# Altium PCB 脑电采集板V1.0.PcbDoc (part 1 of 2) (continued)
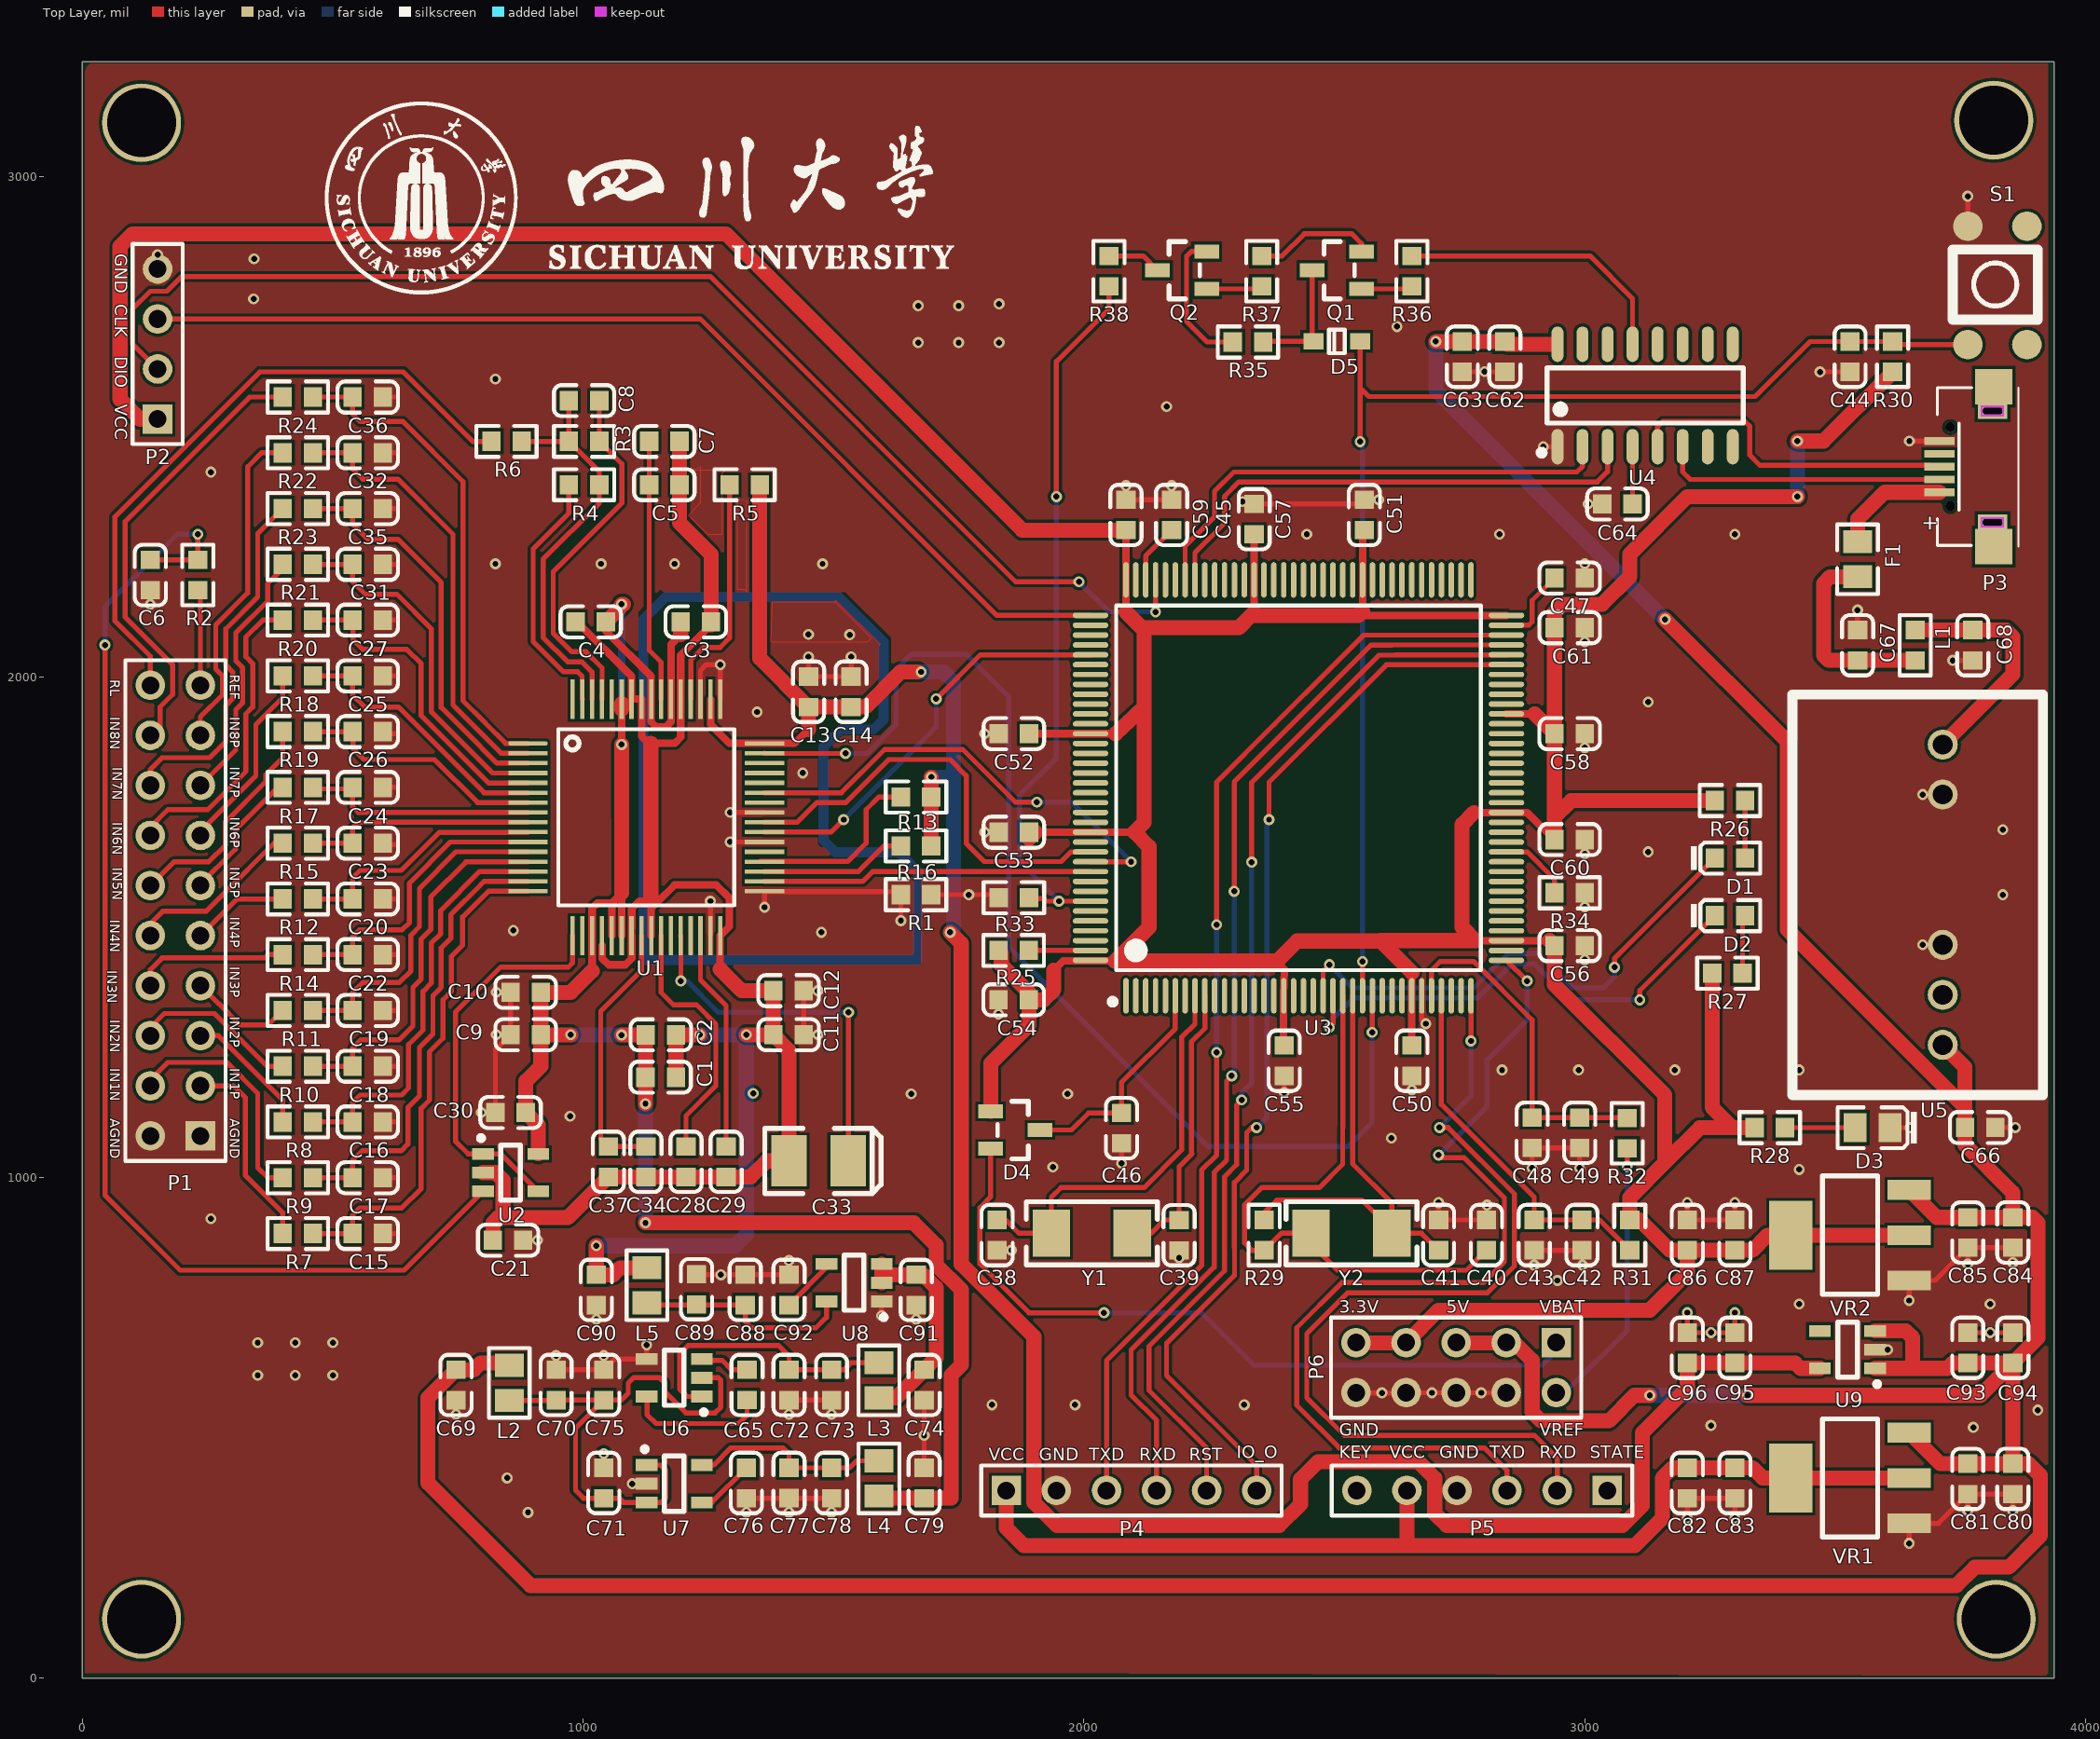
[diagram p0: Top Layer view]
## Components (designator, comment, footprint, x,y, rotation, side; value= is the part's Value field where it differs from the comment) (continued)
R3 "391KΩ" 0603_R 1001.81,2470.55 r0 top
R4 "0Ω" 0603_R 1001.81,2383.88 r180 top
R5 "10KΩ" 0603_R 1322.36,2383.88 r180 top
R6 "100KΩ" 0603_R 846.81,2470.55 r0 top
R7 "4.99KΩ" 0603_R 429.92,888.33 r0 top
R8 "4.99KΩ" 0603_R 429.92,1111.09 r0 top
R9 "4.99KΩ" 0603_R 429.92,999.71 r0 top
R10 "4.99KΩ" 0603_R 429.92,1222.47 r0 top
R11 "4.99KΩ" 0603_R 429.92,1333.84 r0 top
R12 "4.99KΩ" 0603_R 429.92,1556.6 r0 top
R13 "10KΩ" 0603_R 1664.68,1760 r180 top
R14 "4.99KΩ" 0603_R 429.92,1445.22 r0 top
R15 "4.99KΩ" 0603_R 429.92,1667.98 r0 top
R16 "10KΩ" 0603_R 1664.68,1662.5 r0 top
R17 "4.99KΩ" 0603_R 429.92,1779.36 r0 top
R18 "4.99KΩ" 0603_R 429.92,2002.11 r0 top
R19 "4.99KΩ" 0603_R 429.92,1890.73 r0 top
R20 "4.99KΩ" 0603_R 429.92,2113.49 r0 top
R21 "4.99KΩ" 0603_R 429.92,2224.87 r0 top
R22 "4.99KΩ" 0603_R 429.92,2447.62 r0 top
R23 "4.99KΩ" 0603_R 429.92,2336.25 r0 top
R24 "4.99KΩ" 0603_R 429.92,2559 r0 top
R25 "0Ω" 0603_R 1859.68,1453.65 r0 top
R26 "510Ω" 0603_R 3290,1753.02 r0 top
R27 "510Ω" 0603_R 3285,1408.33 r0 top
R28 "1KΩ" 0603_R 3369.68,1099.69 r0 top
R29 "1MΩ" 0603_R 2360,885.14 r90 top
R30 "10K" 0603_R 3615,2639.57 r90 top
R31 "10Ω (10R0) ±1%" 0603_R 3090,885.14 r270 top
R32 "10Ω (10R0) ±1%" 0603_R 3085,1088.77 r270 top
R33 "10K" 0603_R 1860,1558.96 r0 top
R34 "10K" 0603_R 2970,1568.77 r180 top
R35 "10KΩ" 0603_R 2327.5,2668.9 r0 top
R36 "1KΩ (1001) ±1%" 0603_R 2655,2810.43 r270 top
R37 "1KΩ (1001) ±1%" 0603_R 2355,2810.43 r90 top
R38 "1KΩ (1001) ±1%" 0603_R 2050,2810.43 r270 top
S1 "SW-PB" key_4.5*4.5*3.8 3765,2663.78 r90 top
U1 "ADS1299" ADS1299 1334.8,1982.19 r270 top
U2 "OPA376DBV" SOT-23-5 855,1010 r180 top
U3 "STM32F429ZGT6" LQFP-144_20x20x05P 2428.43,1778.45 r0 top
U4 "CH340G" SOIC-16_150mil 3120.67,2562.14 r0 top
U5 "H0505S-2W" H0505S 3615,1665 r270 top
U6 "TPS60403" SOT-23-5 1181.71,600.12 r0 top
U7 "TPS73225" SOT-23-5 1181.71,388.62 r180 top
U8 "TPS72325" SOT-23-5 1540.95,790 r0 top
U9 "SPX5205" SOT-23-5 3525,656.38 r0 top
VR1 "AMS1117-3.3" SOT-223 3530,400 r0 top
VR2 "AMS1117-3.3" SOT-223 3530,885 r0 top
Y1 "32.768KHz" SMD-5032_2P 2015.71,888.77 r180 top
Y2 "8MHz ±20ppm 20pF" SMD-5032_2P 2534.29,888.77 r0 top

## Footprints (in the part's own frame and the unit in brackets; to place one, negate y for a bottom-side part, rotate by r counter-clockwise, add the part's x,y. Pads: shape width x height; smd on the part's side, far side on the other; paste and mask are expansions set on the pad)
0603_C [mm]
  rect 0.93x0.98 smd: 1(-0.77,0) 2(0.77,0)
  silkscreen extent -1.53,-0.79 1.54,0.79, body extent -0.8,-0.4 0.8,0.4, height 0.3
0603_L [mm]
  rect 0.93x0.98 smd: 1(-0.77,0) 2(0.77,0)
  silkscreen extent -1.53,-0.79 1.54,0.79, body extent -0.82,-0.41 0.83,0.41, height 0.46
0603_LED_S1 [mm]
  rect 0.93x0.98 smd: A(0.77,0) K(-0.77,0)
  silkscreen extent -1.97,-0.79 1.54,0.79, body extent -0.8,-0.4 0.8,0.4, height 0.6
0603_R [mm]
  rect 0.93x0.98 smd: 1(-0.77,0) 2(0.77,0)
  silkscreen extent -1.53,-0.79 1.54,0.79, body extent -0.85,-0.4 0.85,0.4, height 0.56
0805_L [mm]
  rect 1.16x1.47 smd: 1(-0.89,0) 2(0.89,0)
  silkscreen extent -1.77,-1.04 1.77,1.03, body extent -1.02,-0.64 1.03,0.64, height 0.6
0805_LED_S1 [mm]
  rect 1.16x1.47 smd: A(0.89,0) K(-0.89,0)
  silkscreen extent -2.25,-1.04 1.77,1.03, body extent -1.01,-0.62 1.01,0.62, height 1.1
0805_R [mm]
  rect 1.16x1.47 smd: 1(-0.89,0) 2(0.89,0)
  silkscreen extent -1.77,-1.04 1.77,1.03, body extent -1,-0.62 1,0.63, height 0.49
ADS1299 [mm]
  oval 0.22x2 smd: 1(2.921,-11.303)
  rect 0.22x2 smd: 2(3.421,-11.303) 3(3.921,-11.303) 4(4.421,-11.303) 5(4.921,-11.303) 6(5.421,-11.303) 7(5.921,-11.303) 8(6.421,-11.303) 9(6.921,-11.303) 10(7.421,-11.303) 11(7.921,-11.303) 12(8.421,-11.303) 13(8.921,-11.303) 14(9.421,-11.303) 15(9.921,-11.303) 16(10.421,-11.303) 33(10.421,0.697) 34(9.921,0.697) 35(9.421,0.697) 36(8.921,0.697) 37(8.421,0.697) 38(7.921,0.697) 39(7.421,0.697) 40(6.921,0.697) 41(6.421,0.697) 42(5.921,0.697) 43(5.421,0.697) 44(4.921,0.697) 45(4.421,0.697) 46(3.921,0.697) 47(3.421,0.697) 48(2.921,0.697)
  rect 2x0.22 smd: 17(12.671,-9.053) 18(12.671,-8.553) 19(12.671,-8.053) 20(12.671,-7.553) 21(12.671,-7.053) 22(12.671,-6.553) 23(12.671,-6.053) 24(12.671,-5.553) 25(12.671,-5.053) 26(12.671,-4.553) 27(12.671,-4.053) 28(12.671,-3.553) 29(12.671,-3.053) 30(12.671,-2.553) 31(12.671,-2.053) 32(12.671,-1.553) 49(0.671,-1.553) 50(0.671,-2.053) 51(0.671,-2.553) 52(0.671,-3.053) 53(0.671,-3.553) 54(0.671,-4.053) 55(0.671,-4.553) 56(0.671,-5.053) 57(0.671,-5.553) 58(0.671,-6.053) 59(0.671,-6.553) 60(0.671,-7.053) 61(0.671,-7.553) 62(0.671,-8.053) 63(0.671,-8.553) 64(0.671,-9.053)
  silkscreen extent 2.21,-9.77 11.14,-0.84
CASE-B_3528 [mm]
  rect 1.8x2.6 smd: 1(1.5,0) 2(-1.5,0)
  silkscreen extent -2.73,-1.65 3.16,1.65, body extent -1.85,-1.47 1.85,1.46, height 2.03
H0505S [mil] "H0505S"
  round 60 hole 39.37: 1(-200,100) 2(-100,100) 5(200,100) 6(300,100) 7(400,100)
  silkscreen extent -300,-200 500,300
HDR1X4 [mm] "Connector; Header; 4 Position"
  rect 1.5x1.5 hole 0.9: 1(0,0)
  round 1.5 hole 0.9: 2(2.54,0) 3(5.08,0) 4(7.62,0)
  silkscreen extent -1.27,-1.27 8.89,1.27
HDR1X6 [mm] "Connector; Header; 6 Position"
  rect 1.5x1.5 hole 0.9: 1(0,0)
  round 1.5 hole 0.9: 2(2.54,0) 3(5.08,0) 4(7.62,0) 5(10.16,0) 6(12.7,0)
  silkscreen extent -1.27,-1.27 13.97,1.27
HDR2X5 [mm] "Connector; Header; 5x2 Position"
  rect 1.5x1.5 hole 0.9: 1(0,0)
  round 1.5 hole 0.9: 2(0,2.54) 3(2.54,0) 4(2.54,2.54) 5(5.08,0) 6(5.08,2.54) 7(7.62,0) 8(7.62,2.54) 9(10.16,0) 10(10.16,2.54)
  silkscreen extent -1.27,-1.27 11.43,3.81
HDR2X10 [mm] "Connector; Header; 10x2 Position"
  rect 1.5x1.5 hole 0.9: 1(0,0)
  round 1.5 hole 0.9: 2(0,2.54) 3(2.54,0) 4(2.54,2.54) 5(5.08,0) 6(5.08,2.54) 7(7.62,0) 8(7.62,2.54) 9(10.16,0) 10(10.16,2.54) 11(12.7,0) 12(12.7,2.54) 13(15.24,0) 14(15.24,2.54) 15(17.78,0) 16(17.78,2.54) 17(20.32,0) 18(20.32,2.54) 19(22.86,0) 20(22.86,2.54)
  silkscreen extent -1.27,-1.27 24.13,3.81
key_4.5*4.5*3.8 [mm]
  round 1.5 smd: 1(0,0) 2(6,0) ""(0,-3) ""(6,-3)
  silkscreen extent 1.27,-3.56 4.83,0.76
LQFP-144_20x20x05P [mm]
  oval 0.28x1.8 smd mask+0.051: 1(-8.75,-10.55) 2(-8.25,-10.55) 3(-7.75,-10.55) 4(-7.25,-10.55) 5(-6.75,-10.55) 6(-6.25,-10.55) 7(-5.75,-10.55) 8(-5.25,-10.55) 9(-4.75,-10.55) 10(-4.25,-10.55) 11(-3.75,-10.55) 12(-3.25,-10.55) 13(-2.75,-10.55) 14(-2.25,-10.55) 15(-1.75,-10.55) 16(-1.25,-10.55) 17(-0.75,-10.55) 18(-0.25,-10.55) 19(0.25,-10.55) 20(0.75,-10.55) 21(1.25,-10.55) 22(1.75,-10.55) 23(2.25,-10.55) 24(2.75,-10.55) 25(3.25,-10.55) 26(3.75,-10.55) 27(4.25,-10.55) 28(4.75,-10.55) 29(5.25,-10.55) 30(5.75,-10.55) 31(6.25,-10.55) 32(6.75,-10.55) 33(7.25,-10.55) 34(7.75,-10.55) 35(8.25,-10.55) 36(8.75,-10.55) 73(8.75,10.55) 74(8.25,10.55) 75(7.75,10.55) 76(7.25,10.55) 77(6.75,10.55) 78(6.25,10.55) 79(5.75,10.55) 80(5.25,10.55) 81(4.75,10.55) 82(4.25,10.55) 83(3.75,10.55) 84(3.25,10.55) 85(2.75,10.55) 86(2.25,10.55) 87(1.75,10.55) 88(1.25,10.55) 89(0.75,10.55) 90(0.25,10.55) 91(-0.25,10.55) 92(-0.75,10.55) 93(-1.25,10.55) 94(-1.75,10.55) 95(-2.25,10.55) 96(-2.75,10.55) 97(-3.25,10.55) 98(-3.75,10.55) 99(-4.25,10.55) 100(-4.75,10.55) 101(-5.25,10.55) 102(-5.75,10.55) 103(-6.25,10.55) 104(-6.75,10.55) 105(-7.25,10.55) 106(-7.75,10.55) 107(-8.25,10.55) 108(-8.75,10.55)
  oval 1.8x0.28 smd mask+0.051: 37(10.55,-8.75) 38(10.55,-8.25) 39(10.55,-7.75) 40(10.55,-7.25) 41(10.55,-6.75) 42(10.55,-6.25) 43(10.55,-5.75) 44(10.55,-5.25) 45(10.55,-4.75) 46(10.55,-4.25) 47(10.55,-3.75) 48(10.55,-3.25) 49(10.55,-2.75) 50(10.55,-2.25) 51(10.55,-1.75) 52(10.55,-1.25) 53(10.55,-0.75) 54(10.55,-0.25) 55(10.55,0.25) 56(10.55,0.75) 57(10.55,1.25) 58(10.55,1.75) 59(10.55,2.25) 60(10.55,2.75) 61(10.55,3.25) 62(10.55,3.75) 63(10.55,4.25) 64(10.55,4.75) 65(10.55,5.25) 66(10.55,5.75) 67(10.55,6.25) 68(10.55,6.75) 69(10.55,7.25) 70(10.55,7.75) 71(10.55,8.25) 72(10.55,8.75) 109(-10.55,8.75) 110(-10.55,8.25) 111(-10.55,7.75) 112(-10.55,7.25) 113(-10.55,6.75) 114(-10.55,6.25) 115(-10.55,5.75) 116(-10.55,5.25) 117(-10.55,4.75) 118(-10.55,4.25) 119(-10.55,3.75) 120(-10.55,3.25) 121(-10.55,2.75) 122(-10.55,2.25) 123(-10.55,1.75) 124(-10.55,1.25) 125(-10.55,0.75) 126(-10.55,0.25) 127(-10.55,-0.25) 128(-10.55,-0.75) 129(-10.55,-1.25) 130(-10.55,-1.75) 131(-10.55,-2.25) 132(-10.55,-2.75) 133(-10.55,-3.25) 134(-10.55,-3.75) 135(-10.55,-4.25) 136(-10.55,-4.75) 137(-10.55,-5.25) 138(-10.55,-5.75) 139(-10.55,-6.25) 140(-10.55,-6.75) 141(-10.55,-7.25) 142(-10.55,-7.75) 143(-10.55,-8.25) 144(-10.55,-8.75)
  silkscreen extent -9.57,-11 9.25,9.25
MICRO-USB [mm]
  rect 0.4x1.55 smd: 1(-1.3,2.2) 2(-0.65,2.2) 3(0,2.2) 4(0.65,2.2) 5(1.3,2.2)
  rect 1.8x1.9 smd: 6(-4.05,-0.55) 6(4.05,-0.55)
  rect 0.8x1.5 hole 0.4 slot 1 at 90 deg: 6(-2.825,-0.5) 6(2.825,-0.5)
  round 0.5 hole 0.5 unplated: ""(-2,1.65) ""(2,1.65)
  Keep-Out Layer lines w0.127: -3.054,0.075 -3.054,-1.043 -2.596,-1.043 -2.596,0.075 -3.054,0.075 ; 2.596,0.075 2.596,-1.043 3.054,-1.043 3.054,0.075 2.596,0.075
  silkscreen extent -4.05,-1.8 4,2.3, body extent -4.03,-3.3 4.03,2.28, height 3.13
SMD-5032_2P [mm]
  rect 1.9x2.4 smd: 1(-2.05,0) 2(2.05,0)
  silkscreen extent -3.32,-1.6 3.32,1.6
SOD-323 [mm]
  rect 1x0.83 smd: 1(1.18,0) 2(-1.18,0)
  silkscreen extent -0.4,-0.6 0.4,0.6, body extent -1.35,-0.62 1.35,0.63, height 1.1
SOIC-16_150mil [mm]
  oval 0.6x1.8 smd: 1(-4.445,-2.6) 2(-3.175,-2.6) 3(-1.905,-2.6) 4(-0.635,-2.6) 5(0.635,-2.6) 6(1.905,-2.6) 7(3.175,-2.6) 8(4.445,-2.6) 9(4.445,2.6) 10(3.175,2.6) 11(1.905,2.6) 12(0.635,2.6) 13(-0.635,2.6) 14(-1.905,2.6) 15(-3.175,2.6) 16(-4.445,2.6)
  silkscreen extent -5.4,-3.05 4.97,1.4
SOT-23(SOT-23-3) [mm]
  rect 1.25x0.7 smd: 1(1.25,-0.95) 2(1.25,0.95) 3(-1.25,0)
  silkscreen extent -0.65,-1.46 0.9,1.46, body extent -1.5,-1.5 1.5,1.5, height 1.3
SOT-23-5 [mm]
  rect 1.1x0.6 smd: 1(1.4,-0.95) 2(1.4,0) 3(1.4,0.95) 4(-1.4,0.95) 5(-1.4,-0.95)
  silkscreen extent -0.5,-1.87 1.62,1.4
SOT-223 [mm]
  rect 2.2x1 smd: 1(3,-2.3) 2(3,0) 3(3,2.3)
  rect 2.2x3.5 smd: 2(-3,0)
  silkscreen extent -1.4,-3 1.4,3, body extent -3.49,-3.24 3.49,3.24, height 1.64

## Part data
C1 C2 C3 C4 C5 C7 C8 C9 C10 C11 C12 C13 C14 C28 C29 C37 C92: library part "0603 10nF (103) 10% 50V", "贴片电容", Package=0603, SuppliersPartNumber=C57112, ComponentLink1Description=供?, ComponentLink1URL=http://www.szlcsc.com/product/details_58143.html, Supplier=LC
C6 C15 C16 C17 C18 C19 C20 C22 C23 C24 C25 C26 C27 C31 C32 C35 C36: library part "0603 4.7nF (472) 10% 50V", "贴片电容", Package=0603, SuppliersPartNumber=C53987, ComponentLink1Description=供?, ComponentLink1URL=http://www.szlcsc.com/product/details_55004.html, Supplier=LC
C21 C30 C65 C71 C73 C75 C76: library part "0603 1uF (105) 10% 50V", "贴片电容", Package=0603, SuppliersPartNumber=C15849, ComponentLink1Description=供?, ComponentLink1URL=http://www.szlcsc.com/product/details_16531.html, Supplier=LC
C33: library part "3528 100uF (107) 10% 6.3V", "钽电容", Package=3528, SuppliersPartNumber=C16133, ComponentLink1Description=供?, ComponentLink1URL=http://www.szlcsc.com/product/details_16815.html, Supplier=LC
C34 C42 C48 C62 C66 C69 C70 C72 C74 C78 C79 C88 C90: library part "0603 10uF (106) 10% 10V", "贴片电容", Package=0603, SuppliersPartNumber=C19702, ComponentLink1Description=供?, ComponentLink1URL=http://www.szlcsc.com/product/details_20411.html, Supplier=LC
C38 C39: library part "0603 10pF (100) 5% 50V", "贴片电容", Package=0603, SuppliersPartNumber=C1634, ComponentLink1Description=供?, ComponentLink1URL=http://www.szlcsc.com/product/details_1986.html, Supplier=LC
C40 C41: library part "0603 22pF (220) 5% 50V", "贴片电容", Package=0603, SuppliersPartNumber=C1653, ComponentLink1Description=供?, ComponentLink1URL=http://www.szlcsc.com/product/details_2005.html, Supplier=LC
C43 C44 C46 C49 C50 C51 C52 C53 C54 C55 C56 C57 C58 C59 C60 C61 C63 C64 C81 C82 C85 C86 C94 C96: library part "0603 100nF (104) 10% 50V", "贴片电容", Package=0603, SuppliersPartNumber=C14663, ComponentLink1Description=供?, ComponentLink1URL=http://www.szlcsc.com/product/details_15331.html, Supplier=LC
C45 C47 C77 C89 C91: library part "0603 2.2uF (225) 10% 16V", "贴片电容", Package=0603, SuppliersPartNumber=C23630, ComponentLink1Description=供?, ComponentLink1URL=http://www.szlcsc.com/product/details_24366.html, Supplier=LC
C67 C68: library part "0603 4.7uF (475) 10% 16V", "贴片电容", Package=0603, SuppliersPartNumber=C19666, ComponentLink1Description=供?, ComponentLink1URL=http://www.szlcsc.com/product/details_20375.html, Supplier=LC
C80 C83 C84 C87 C93 C95: library part "0603 22uF (226) 20% 6.3V", "贴片电容", Package=0603, SuppliersPartNumber=C59461, ComponentLink1Description=供?, ComponentLink1URL=http://www.szlcsc.com/product/details_60514.html, Supplier=LC
D1 D2: library part "0603 绿灯", "发光二极管", Package=0603, SuppliersPartNumber=C72043, ComponentLink1Description=供?, ComponentLink1URL=http://www.szlcsc.com/product/details_73152.html, Supplier=LC
D3: library part "0805 红灯", "发光二极管", Package=0805, SuppliersPartNumber=C2295, ComponentLink1Description=供?, ComponentLink1URL=http://www.szlcsc.com/product/details_2668.html, Supplier=LC
D4: library part "SOT-23 BAV70 A4", "开关二极管", Package=SOT-23, SuppliersPartNumber=C68978, ComponentLink1Description=供?, ComponentLink1URL=http://www.szlcsc.com/product/details_70091.html, Supplier=LC
D5: library part "SOD-323 1N4148WS T4", "二极管", Package=SOD-323, SuppliersPartNumber=C2128, ComponentLink1Description=供?, ComponentLink1URL=http://www.szlcsc.com/product/details_2485.html, Supplier=LC
F1: library part "Fuse 2", "Fuse", LatestRevisionDate=17-Jul-2002, LatestRevisionNote="Re-released for DXP Platform.", PackageDescription="Thru-Hole; 2 Leads", PackageReference=PIN-W2/E2.8, Published=8-Jun-2000, Publisher="Altium Limited"
L1: library part "0603 4.7uH 10%", "贴片电感", Package=0603, SuppliersPartNumber=C1034, ComponentLink1Description=供?, ComponentLink1URL=http://www.szlcsc.com/product/details_1386.html, Supplier=LC
L2 L3 L4 L5: library part "0805 3.3uH10%", "贴片电感", Package=0805, SuppliersPartNumber=C51725, ComponentLink1Description=供?, ComponentLink1URL=http://www.szlcsc.com/product/details_52738.html, Supplier=LC
P1: "Header, 10-Pin, Dual row", LatestRevisionDate=17-Jul-2002, LatestRevisionNote="Re-released for DXP Platform.", Publisher="Altium Limited"
P2: library part "Header 4", "Header, 4-Pin", LatestRevisionDate=17-Jul-2002, LatestRevisionNote="Re-released for DXP Platform.", Publisher="Altium Limited"
P3: library part "Header 5", "Header, 5-Pin", LatestRevisionDate=17-Jul-2002, LatestRevisionNote="Re-released for DXP Platform.", Publisher="Altium Limited"
P4 P5: library part "Header 6", "Header, 6-Pin", LatestRevisionDate=17-Jul-2002, LatestRevisionNote="Re-released for DXP Platform.", Publisher="Altium Limited"
P6: library part "Header 5X2", "Header, 5-Pin, Dual row", LatestRevisionDate=17-Jul-2002, LatestRevisionNote="Re-released for DXP Platform.", Publisher="Altium Limited"
Q1: library part "SOT-23 SS8050 Y1", "三极管", Package=SOT-23, SuppliersPartNumber=C2150, ComponentLink1Description=供?, ComponentLink1URL=http://www.szlcsc.com/product/details_2507.html, Supplier=LC
Q2: library part "SOT-23 SS8550 Y2", "三极管", Package=SOT-23, SuppliersPartNumber=C8542, ComponentLink1Description=供?, ComponentLink1URL=http://www.szlcsc.com/product/details_9037.html, Supplier=LC
R1 R3 R4 R6: library part "0603 100KΩ (1003) 1%", "贴片电阻", Package=0603, SuppliersPartNumber=C25803, ComponentLink1Description=供?, ComponentLink1URL=http://www.szlcsc.com/product/details_26546.html, Supplier=LC
R2 R7 R8 R9 R10 R11 R12 R14 R15 R17 R18 R19 R20 R21 R22 R23 R24: library part "0603 4.99KΩ (4991) 1%", "贴片电阻", Package=0603, SuppliersPartNumber=C23046, ComponentLink1Description=供?, ComponentLink1URL=http://www.szlcsc.com/product/details_23773.html, Supplier=LC
R5 R13 R16: library part "0603 10KΩ (1002) 1%", "贴片电阻", Package=0603, SuppliersPartNumber=C25804, ComponentLink1Description=供?, ComponentLink1URL=http://www.szlcsc.com/product/details_26547.html, Supplier=LC
R25: library part "0603 0Ω (0R0) 1%", "贴片电阻", Package=0603, SuppliersPartNumber=C21189, ComponentLink1Description=供?, ComponentLink1URL=http://www.szlcsc.com/product/details_21903.html, Supplier=LC
R26 R27: library part "0603 510Ω (5100) 1%", "贴片电阻", Package=0603, SuppliersPartNumber=C23193, ComponentLink1Description=供?, ComponentLink1URL=http://www.szlcsc.com/product/details_23920.html, Supplier=LC
R28 R35 R36 R37 R38: library part "0603 1KΩ (1001) 1%", "贴片电阻", Package=0603, SuppliersPartNumber=C21190, ComponentLink1Description=供?, ComponentLink1URL=http://www.szlcsc.com/product/details_21904.html, Supplier=LC
R29: library part "0603 1.2MΩ (1204) 1%", "贴片电阻", Package=0603, SuppliersPartNumber=C22766, ComponentLink1Description=供?, ComponentLink1URL=http://www.szlcsc.com/product/details_23493.html, Supplier=LC
R30 R31 R32 R33 R34: library part "0603 10Ω (10R0) 1%", "贴片电阻", Package=0603, SuppliersPartNumber=C22859, ComponentLink1Description=供?, ComponentLink1URL=http://www.szlcsc.com/product/details_23586.html, Supplier=LC
S1: "Switch", LatestRevisionDate=17-Jul-2002, LatestRevisionNote="Re-released for DXP Platform.", PackageDescription="Switch; 2 Leads", PackageReference=SPST-2, Published=24-Mar-1999, Publisher="Altium Limited"
U3: "ARM", Package=LQFP-144_20x20x05P, SuppliersPartNumber=C46525, ComponentLink1Description=供?, ComponentLink1URL=http://www.szlcsc.com/product/details_47529.html, Supplier=LC
U4: library part CH340G_[C14267], "USB", Package=SOIC-16_150mil, SuppliersPartNumber=C14267, ComponentLink1Description=供?, ComponentLink1URL=http://www.szlcsc.com/product/details_14927.html, Supplier=LC
VR1 VR2: library part "SOT-223 AMS1117-3.3", "低压差线性稳压(LDO)", Package=SOT-223, SuppliersPartNumber=C6186, ComponentLink1Description=供?, ComponentLink1URL=http://www.szlcsc.com/product/details_6652.html, Supplier=LC
Y1 Y2: library part "SMD-5032_2P 8MHz 20ppm 20pF", "贴片晶振", Package=SMD-5032_2P, SuppliersPartNumber=C115962, ComponentLink1Description=供?, ComponentLink1URL=http://www.szlcsc.com/product/details_117214.html, Supplier=LC

## Free pads (board coordinates)
  round 157.48 hole 137.8: AGND(118.11,118.11) AGND(118.11,3106.89) AGND(3816.89,3111.89) AGND(3821.89,118.11)

## Via types
v1: diameter 22, hole 12, Top Layer to Bottom Layer, tented both sides, 199 vias

## Nets (pads, with @x,y where several pads share a name; then routed paths per layer and width w, separated by ;. In a path a pad name is that pad's centre, name@x,y a point inside that pad or via, vN(x,y) a via of type N, cw(c..) or ccw(c..) an arc to the next point about the centre after c; other vN are vias at no path point)
+5V: C62.1 C63.1 C66.2 C69.2 C80.2 C81.2 C84.2 C85.2 C93.2 C94.2 L2.1 P6.3 P6.5 U4.16 U5.7 U9.1 U9.3 VR1.3 VR2.3 | length 9225.5
  Top Layer w30: L2.1@852.22,630.04 795.35,630.04 781.38,616.06 C69.2@745.95,616.06 690,560.12 690,390 895,185 3742.07,185 3778.92,221.85 3846.85,221.85 3910,285 3910,405.32 3886.69,428.62 C80.2@3855,428.62 ; v1(2702.76,2670) 2702.87,2669.88 C63.1@2755.67,2669.88 C62.1@2840.67,2669.88 2846.05,2664.5 U4.16@2940,2664.5 ; P6.5@2743.37,670 2860,670 2895,635 2895,531.89 2912.73,514.16 3048.22,514.16 3099.06,565 v1(3130,565) ; v1(3160.67,2115) 3405,1870.67 3405,1495 3759.37,1140.63 ; v1(3325,565) 3790.31,565 C94.2@3855,629.68 ; U9.1@3580.12,618.98 3655,618.98 ; U9.3@3580.12,693.78 3641.22,693.78 3655,680 3655,618.98 ; VR1.3@3648.11,490.55 3710.04,428.62 C81.2@3765,428.62 C80.2@3855,428.62 ; VR2.3@3648.11,975.55 3703.03,920.63 C85.2@3765,920.63 C84.2@3855,920.63 ; U5.7@3715,1265 3759.37,1220.63 3759.37,1140.63 ; 3655,618.98 3723.98,618.98 3734.69,629.68 C93.2@3765,629.68 C94.2@3855,629.68 ; 3759.37,1140.63 C66.2@3759.37,1100 3759.37,1065.63 3855,970 C84.2@3855,920.63 ; C80.2@3855,428.62 C94.2@3855,629.68 ; C94.2@3855,629.68 3905,679.68 3905,910 3894.37,920.63 C84.2@3855,920.63
  Bottom Layer w30: v1(2702.76,2670) 2702.76,2572.91 v1(3160.67,2115) ; v1(3130,565) v1(3325,565)
-5V: C74.2 C91.2 L3.2 U8.2 U8.3 | length 460.6
  Top Layer w10: U8.2@1596.06,790 U8.2@1612.1,790 ; C91.2@1665,805.94 C91.2@1679.06,805.94
  Top Layer w30: L3.2@1590.62,559.96 1624.84,559.96 C74.2@1680.95,616.06 1705,640.12 1705,780 C91.2@1679.06,805.94 ; U8.2@1596.06,790 1596.06,805.94 ; U8.3@1596.06,827.4 1596.06,805.94 ; C91.2@1665,805.94 1596.06,805.94
AGND: C6.1 C9.2 C10.2 C11.2 C12.2 C15.1 C16.1 C17.2 C18.2 C19.1 C20.1 C21.2 C22.2 C23.2 C24.1 C25.1 C26.2 C27.2 C30.1 C31.1 C32.1 C35.2 C36.2 C38.1 C39.1 C40.1 C41.1 C42.2 C43.2 C44.1 C45.1 C46.2 C47.1 C48.1 C49.1 C50.1 C51.1 C52.1 C53.1 C54.1 C55.1 C56.1 C57.1 C58.1 C59.1 C60.1 C61.1 C62.2 C63.2 C64.1 C66.1 C67.1 C68.1 C69.1 C70.1 C71.1 C72.1 C73.1 C74.1 C75.2 C76.1 C77.1 C78.1 C79.1 C80.1 C81.1 C82.1 C83.1 C84.1 C85.1 C86.1 C87.1 C88.1 C89.1 C90.1 C91.1 C92.1 C93.1 C94.1 C95.1 C96.1 D3.K P1.1 P1.2 P2.4 P3.5 P4.2 P5.4 P6.4 P6.6 P6.8 P6.10 R1.2 R33.1 R34.1 S1.2 U3.31 U4.1 U5.2 U5.5 U6.4 U7.2 U8.1 U9.2 VR1.1 VR2.1 | length 5765.4
  Top Layer w10: v1(135.55,2144.73) C6.1@135.55,2173.14 ; P2.4@150,2815 v1(150,2843.41) ; C15.1@599.92,888.33 628.33,888.33 ; C17.2@599.92,999.71 628.33,999.71 ; C16.1@599.92,1111.09 628.33,1111.09 ; C18.2@599.92,1222.47 628.33,1222.47 ; C19.1@599.92,1333.84 628.33,1333.84 ; C22.2@599.92,1445.22 628.33,1445.22 ; C20.1@599.92,1556.6 628.33,1556.6 ; C24.1@599.92,1779.36 628.33,1779.36 ; C26.2@599.92,1886.72 628.33,1886.72 ; C25.1@599.92,2002.11 628.33,2002.11 ; C27.2@599.92,2113.49 628.33,2113.49 ; C31.1@599.92,2224.87 628.33,2224.87 ; C35.2@599.92,2336.25 628.33,2336.25 ; C32.1@599.92,2447.62 628.33,2447.62 ; C36.2@599.92,2559 628.33,2559 ; C23.2@600,1665 628.41,1665 ; v1(745.95,527.02) C69.1@745.95,555.43 ; v1(796.27,1130) C30.1@824.68,1130 824.68,1255.31 C9.2@854.68,1285.31 ; v1(826.27,1285.31) C9.2@854.68,1285.31 ; v1(826.27,1370) C10.2@854.68,1370 C9.2@854.68,1285.31 ; C21.2@880.32,875 v1(908.73,875) ; v1(945.95,644.47) C70.1@945.95,616.06 C75.2@1040.94,616.06 ; v1(1026.21,716.9) C90.1@1026.21,745.31 ; v1(1040.94,644.47) C75.2@1040.94,616.06 ; v1(1098.18,388.62) U7.2@1126.59,388.62 ; v1(1126.59,665.93) U6.4@1126.59,637.52 1062.4,637.52 C75.2@1040.94,616.06 ; C89.1@1231.42,805.95 v1(1275,805.95) C88.1@1323.65,805.95 C92.1@1410.95,805.95 v1(1410.95,834.36) ; v1(1325.95,331.27) C76.1@1325.95,359.69 C77.1@1410.95,359.68 ; v1(1410.95,331.27) C77.1@1410.95,359.68 ; v1(1410.95,527.02) C72.1@1410.95,555.43 C73.1@1495.96,555.43 v1(1495.96,527.02) ; v1(1468.65,1373.33) C12.2@1440.24,1373.33 1440.24,1285.63 C11.2@1440.55,1285.31 v1(1468.96,1285.31) ; v1(1495.96,331.27) C78.1@1495.96,359.68 C77.1@1410.95,359.68 ; v1(1596.06,724.19) U8.1@1596.06,752.6 ; v1(1665,716.9) C91.1@1665,745.31 ; C79.1@1680.95,420.32 v1(1680.95,485) C74.1@1680.95,555.43 ; R1.2@1695,1565 v1(1770,1565) 1823.65,1565 R33.1@1829.69,1558.96 ; v1(1801.27,1689.87) C53.1@1829.68,1689.87 ; v1(1801.27,1886.72) C52.1@1829.68,1886.72 ; C38.1@1826.42,854.83 1826.59,855 v1(1855,855) ; v1(1829.37,1326.59) C54.1@1829.37,1355 ; v1(2075,1028.45) C46.2@2075,1068.45 ; v1(2083.94,2382.18) C59.1@2083.94,2353.77 C45.1@2175,2353.77 v1(2175,2382.18) ; v1(2190,840) C39.1@2190,854.68 ; v1(2316.59,2350) C57.1@2345,2350 ; C57.1@2340,2345.35 2551.59,2345.35 C51.1@2560,2353.77 v1(2588.41,2353.77) ; v1(2400,1170) C55.1@2400,1203.14 ; P6.10@2543.37,570 2660,570 P6.6@2743.37,570.4 P6.4@2843.37,570.06 ; v1(2654.8,1175) C50.1@2654.8,1203.14 ; U3.31@2674.49,1363.1 2674.49,1315.62 v1(2682.79,1307.32) ; v1(2708.23,950) C41.1@2708.23,915.46 C40.1@2803.67,915.46 2803.67,943.67 v1(2805,945) ; C63.2@2755.67,2609.25 C62.2@2840.67,2609.25 ; v1(2895,1019.08) C48.1@2895,1059.08 C49.1@2990,1059.08 v1(2990,1019.08) ; v1(2899.11,825) C43.2@2899.11,854.83 C42.2@2994.56,854.83 2994.56,826.11 v1(2995.67,825) ; v1(2917.26,2459.78) U4.1@2945.67,2459.78 ; v1(3000.31,1435.04) C56.1@3000.31,1463.45 ; v1(3000.31,1540.35) R34.1@3000.31,1568.77 ; v1(3000.31,1646.71) C60.1@3000.31,1675.12 ; v1(3000.31,1858.37) C58.1@3000.31,1886.78 ; v1(3000.31,2070.04) C61.1@3000.31,2098.45 ; C47.1@3000.31,2197.55 v1(3000.31,2225.96) ; v1(3006.63,2345.35) C64.1@3035.04,2345.35 ; v1(3205,319.68) C82.1@3205,359.68 C83.1@3300,359.68 v1(3300,319.68) ; C96.1@3205,690.32 v1(3252.5,690.32) C95.1@3300,690.32 ; v1(3205,950) C86.1@3205,915.46 C87.1@3300,915.46 v1(3300,950) ; v1(3470,2609.25) C44.1@3530,2609.25 ; C67.1@3545,2093.65 v1(3545,2133.65) ; U9.2@3580.12,656.38 v1(3605,656.38) ; D3.K@3610,1099.69 v1(3650,1099.69) ; v1(3648.11,269.45) VR1.1@3648.11,309.45 3706.46,309.45 C81.1@3765,367.99 ; v1(3648.11,754.45) VR2.1@3648.11,794.45 3699.45,794.45 C85.1@3755,850 ; v1(3648.39,2471.18) P3.5@3708.39,2471.18 ; v1(3675,1465) U5.5@3715,1465 ; v1(3675,1765) U5.2@3715,1765 ; v1(3735,2033.02) C68.1@3775,2033.02 ; v1(3765,335) C81.1@3765,367.99 ; C93.1@3765,690.32 C94.1@3855,690.32 ; v1(3765,827.4) C85.1@3765,860 C84.1@3855,860 v1(3855,830) ; S1.2@3765,2900 v1(3765,2960) ; C66.1@3820,1100 v1(3860,1100) ; v1(3855,335) C80.1@3855,367.99 C81.1@3765,367.99
  other v1: 889.8,331.18 847.99,400 3776.22,501.22 3252.02,504.88 3905,535.58 1816.26,546.1 1982.4,546.1 2320.16,546.1 2595,570 2695,570.17 2793.37,570.23 350,605 425,605 500,605 350,670.4 425,670.4 500,670.4 3810,690.32 3428.31,747.65 3809.65,747.65 2945.67,794.45 256.48,917.84 3428.31,1016.08 1938.02,1021 2613.88,1078.83 973.87,1122.54 1655,1167.33 1967.33,1167.33 2835,1215 2987.92,1215 3180.23,1215 3428.31,1215 860.33,1493.65 3835,1565 3126.9,1650.66 3835,1695 3126.9,1950 824.68,2225.96 1035.78,2225.96 1182.4,2225.96 1477.98,2225.96 2445,2285 2830,2285 3300.02,2285 256.48,2408.98 2165,2540 824.68,2595 2800,2610 1669.07,2667.76 1749.81,2667.76 1830.56,2667.76 2625,2699.94 1669.07,2741.33 1749.81,2741.33 1830.56,2745 341.8,2755 342.77,2835
AIN1N: C17.1 R9.2 U1.15 | length 913.4
  Top Layer w10: R9.2@460.24,999.71 C17.1@539.29,999.71 539.29,1034.29 558.37,1053.37 636.5,1053.37 650,1066.88 650,1140 673.02,1163.02 673.02,1259.48 700,1286.46 700,1363.43 716.54,1379.97 716.54,1458.61 735.46,1477.54 735.46,1525.05 796.47,1586.06 ; 796.53,1586.06 796.47,1586.06 ; U1.15@889.8,1591.6 802.01,1591.6 796.47,1586.06
AIN1P: C15.2 R7.2 U1.16 | length 1003.1
  Top Layer w10: R7.2@460.24,888.33 C15.2@539.29,888.33 539.29,924.37 554.21,939.29 637.71,939.29 676.54,978.13 676.54,1138.26 693.02,1154.73 693.02,1251.2 720,1278.18 720,1355.15 736.54,1371.69 736.54,1441.54 759.38,1464.38 759.38,1520.62 810.67,1571.92 U1.16@889.8,1571.92
AIN2N: C18.1 R10.2 U1.13 | length 749.7
  Top Layer w10: R10.2@460.24,1222.47 C18.1@539.29,1222.47 539.29,1258.37 555.92,1275 631.97,1275 660,1303.03 660,1380 676.54,1396.54 676.54,1476.56 695.46,1495.48 695.46,1560.46 765.66,1630.66 780,1630.66 ; 780,1630.97 U1.13@889.8,1630.97
AIN2P: C16.2 R8.2 U1.14 | length 829.1
  Top Layer w10: R8.2@460.24,1111.09 C16.2@539.29,1111.09 539.29,1149.29 555,1165 637.28,1165 651.09,1178.81 651.09,1265.84 680,1294.75 680,1371.72 696.54,1388.26 696.54,1468.27 715.46,1487.19 715.46,1533.34 793.41,1611.29 U1.14@889.8,1611.29
AIN3N: C22.1 R14.2 U1.11 | length 589.7
  Top Layer w10: R14.2@460.24,1445.22 C22.1@539.29,1445.22 539.29,1480.71 553.58,1495 638.42,1495 653.02,1509.6 653.02,1588.02 734.71,1670.34 U1.11@889.8,1670.34
AIN3P: C19.2 R11.2 U1.12 | length 668
  Top Layer w10: R11.2@460.24,1333.84 C19.2@539.29,1333.84 539.29,1369.29 560,1390 633.02,1390 655.85,1412.83 655.85,1484.15 673.02,1501.32 673.02,1577.07 745.66,1650.66 U1.12@889.8,1650.66
AIN4N: C23.1 R15.2 U1.9 | length 464.5
  Top Layer w10: R15.2@460.24,1667.98 C23.1@539.29,1667.98 539.29,1698.37 550.32,1709.4 590,1709.4 ; 590,1709.71 U1.9@889.8,1709.71
AIN4P: C20.2 R12.2 U1.10 | length 509.2
  Top Layer w10: R12.2@460.24,1556.6 C20.2@539.29,1556.6 539.29,1598.37 554.32,1613.4 636.33,1613.4 712.64,1689.71 U1.10@889.8,1689.71
AIN5N: C26.1 R19.2 U1.7 | length 507.3
  Top Layer w10: R19.2@460.24,1890.73 C26.1@539.29,1890.73 540,1890.03 540,1857.51 562.51,1835 703.02,1835 788.94,1749.08 U1.7@889.8,1749.08
AIN5P: C24.2 R17.2 U1.8 | length 472.9
  Top Layer w10: R17.2@460,1776.29 C24.2@539.05,1776.29 ; C24.2@539.29,1779.36 539.29,1740.71 550.6,1729.4 U1.8@889.8,1729.4
AIN6N: C27.1 R20.2 U1.5 | length 647.3
  Top Layer w10: R20.2@460.24,2113.49 C27.1@539.29,2113.49 540,2112.78 540,2075 560,2055 647.93,2055 676.54,2026.38 676.54,1922.51 810.92,1788.14 U1.5@889.8,1788.14
AIN6P: C25.2 R18.2 U1.6 | length 548.4
  Top Layer w10: R18.2@460.24,2002.11 C25.2@539.29,2002.11 539.29,1964.29 563.58,1940 630.77,1940 802,1768.77 U1.6@889.8,1768.77
AIN7N: C35.1 R23.2 U1.3 | length 804.4
  Top Layer w10: R23.2@460.24,2336.25 C35.1@539.29,2336.25 539.05,2336.01 539.05,2305.95 570,2275 630,2275 716.54,2188.46 716.54,1939.08 764.85,1890.77 765,1890.77 765,1890.62 827.8,1827.82 U1.3@889.8,1827.82
AIN7P: C31.2 R21.2 U1.4 | length 719.2
  Top Layer w10: R21.2@460.24,2224.87 C31.2@539.29,2224.87 539.29,2190.71 565,2165 627.94,2165 696.54,2096.4 696.54,1930.8 819.2,1808.14 U1.4@889.8,1808.14
AIN8N: C36.1 R24.2 U1.1 | length 991.8
  Top Layer w10: R24.2@460.24,2559 C36.1@539.29,2559 539.29,2525.71 555,2510 640,2510 760,2390 760,1952.19 781.42,1930.77 781.57,1930.77 805,1907.34 805,1907.19 844.72,1867.47 U1.1@889.53,1867.47
AIN8P: C32.2 R22.2 U1.2 | length 896.7
  Top Layer w10: R22.2@460.24,2447.62 C32.2@539.29,2447.62 539.29,2415.71 560,2395 630,2395 740,2285 740,1943.91 773.13,1910.77 773.28,1910.77 785,1899.06 785,1898.91 836.4,1847.51 U1.2@889.8,1847.51